# Altium PCB main.PcbDoc (part 2 of 5)
Units mm, origin at the board's own origin, x right, y up, seen from the top; angles counter-clockwise.
Board outline 54 x 86 mm, 8 copper layers (L1, L2, L3, L4, L5, L6, L7, L8), stack 1.624 mm thick; 313 components, 261 nets, 1426 pads, 897 vias.
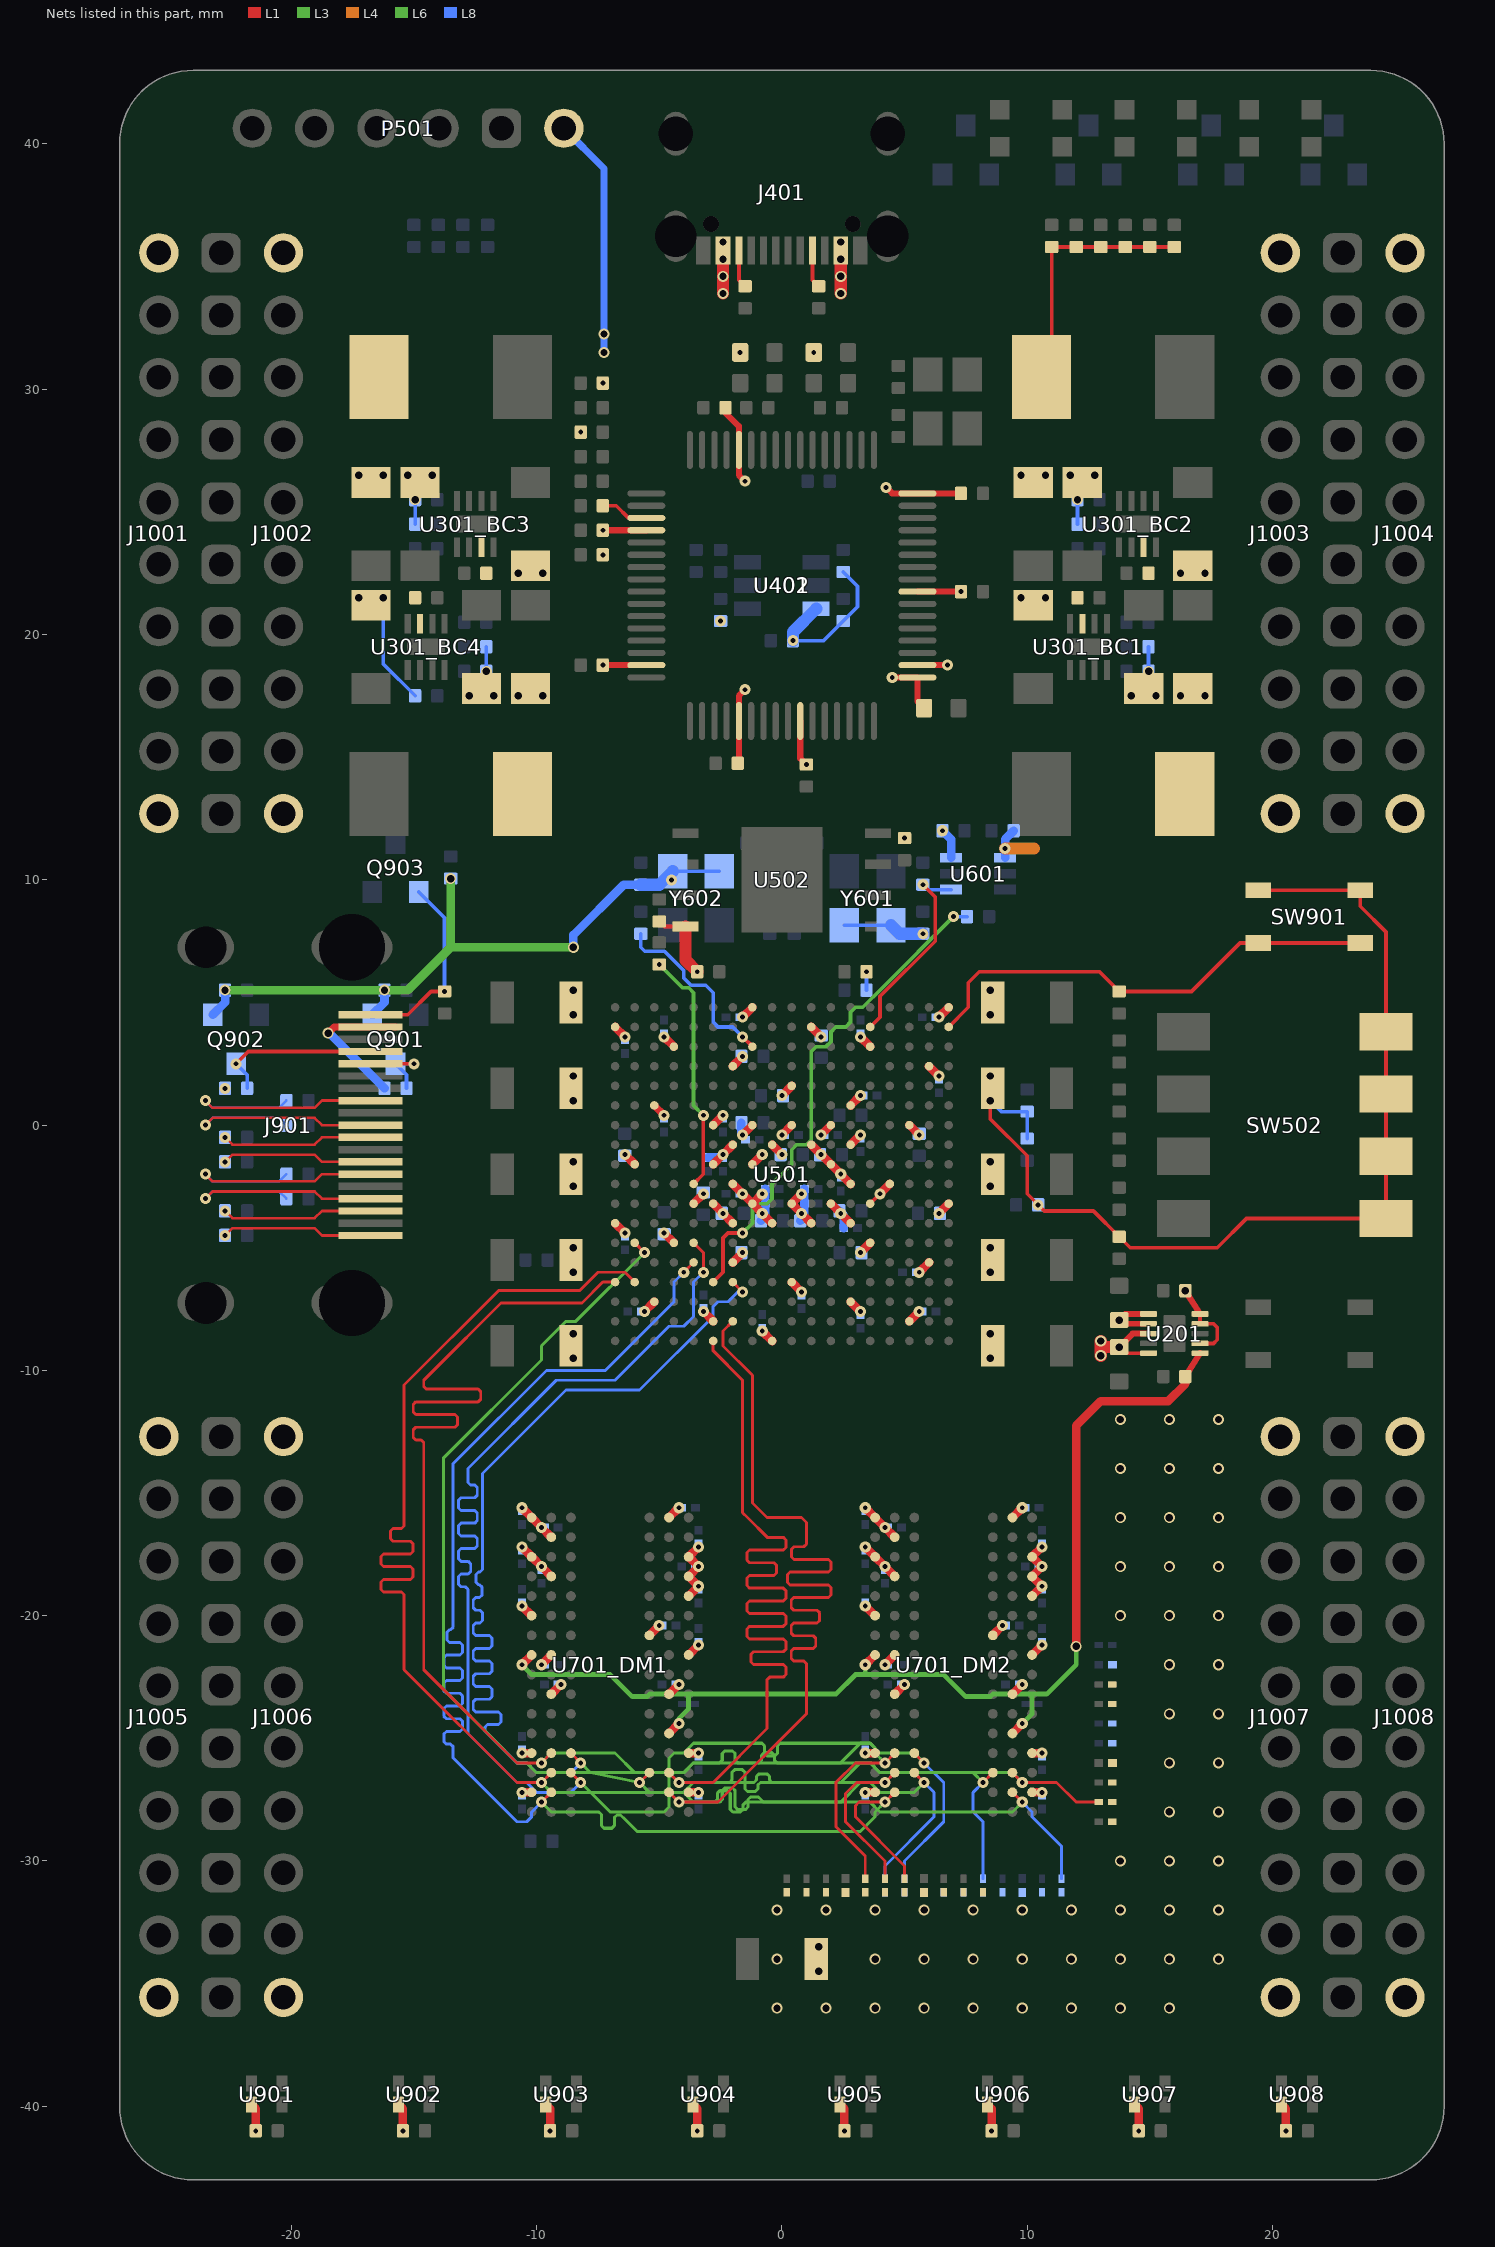
[diagram p8: the nets of this part, all layers, seen from the top]

## Footprints (in the part's own frame and the unit in brackets; to place one, negate y for a bottom-side part, rotate by r counter-clockwise, add the part's x,y. Pads: shape width x height; smd on the part's side, far side on the other; paste and mask are expansions set on the pad) (continued)
FP-208658-1051-MFG [mm]
  rect 0.3x2.6 smd paste+0 mask+0: 1(4.5,5.235) 2(4,5.235) 3(3.5,5.235) 4(3,5.235) 5(2.5,5.235) 6(2,5.235) 7(1.5,5.235) 8(1,5.235) 9(0.5,5.235) 10(0,5.235) 11(-0.5,5.235) 12(-1,5.235) 13(-1.5,5.235) 14(-2,5.235) 15(-2.5,5.235) 16(-3,5.235) 17(-3.5,5.235) 18(-4,5.235) 19(-4.5,5.235)
  rrect100% 1.5x3.3 hole 2.7 slot 0.9 at 0 deg paste-2539.97 mask+0: 20(-7.25,4.475) 21(7.25,4.475)
  rrect100% 1.5x2.3 hole 1.7 slot 0.9 at 0 deg paste-2539.97 mask+0: 22(-7.25,-1.485) 23(7.25,-1.485)
  silkscreen extent -7.63,-6.2 7.63,7.24, body extent -8.1,-6.3 8.1,6.64, height 0.25
FP-1825006-7-MFG [mm]
  rect 2.15x1.52 smd paste+0 mask+0: 1(-4.13,3.81) 2(-4.13,1.27) 3(-4.13,-1.27) 4(-4.13,-3.81) 5(4.13,-3.81) 6(4.13,-1.27) 7(4.13,1.27) 8(4.13,3.81)
  silkscreen extent -5.92,-5.26 3.25,5.26, body extent -5.31,-5.36 5.31,5.36, height 0.25
FP-C04-028-MFG [mm]
  rect 1.1x0.6 smd paste+0 mask+0: 1(-1.4,0.95) 2(-1.4,0) 3(-1.4,-0.95) 4(1.4,-0.95) 5(1.4,0) 6(1.4,0.95)
  silkscreen extent -1.37,-1.55 0.48,1.87, body extent -0.9,-1.55 0.9,1.55, height 1.45
FP-C1206C-EH-MFG [mm]
  rect 0.95x1.7 smd paste+0 mask+0: 1(-1.4,0) 2(1.4,0)
  silkscreen extent -0.55,-0.9 0.55,0.9, body extent -1.6,-0.8 1.6,0.8, height 1.8
FP-DCK0006A-MFG [mm]
  rect 0.9x0.4 smd paste-1000 mask+0: 1(-1.1,0.65) 2(-1.1,0) 3(-1.1,-0.65) 4(1.1,-0.65) 5(1.1,0) 6(1.1,0.65)
  silkscreen extent -2.23,-1.07 0.27,1.07, body extent -1.1,-1 1.1,1, height 1.1
FP-IHLP-2525AH-FP_2_413x3-MFG [mil]
  rect 95x135 smd paste+0 mask+0: 1(-115,0) 2(115,0)
  silkscreen extent -132,-132 132,132, body extent -166,-136 166,136, height 10
FP-NX3225SA-MFG [mm]
  rect 1.4x1.2 smd paste+0 mask+0: 1(-1.1,-0.8) 2(1.1,-0.8) 3(1.1,0.8) 4(-1.1,0.8)
  silkscreen extent -2.17,-1.3 2.17,1.3, body extent -1.9,-1.5 1.9,1.5, height 0.25
FP-PG-WSON-8-IPC_A [mm]
  rect 1.061x0.392 smd paste+0 mask+0: 1(-3.926,1.905) 2(-3.926,0.635) 3(-3.926,-0.635) 4(-3.926,-1.905) 5(3.926,-1.905) 6(3.926,-0.635) 7(3.926,0.635) 8(3.926,1.905)
  rect 3.3x4.3 smd paste-1000 mask+0: 9(0,0)
  silkscreen extent -5.38,-3 4,3, body extent -4.96,-3.5 4.96,3.5, height 0.25
FP-PTS810SJM250SMTRLFS-MFG [mm]
  rect 1.05x0.65 smd paste+0 mask+0: 1(-2.075,1.075) 2(2.075,1.075) 3(-2.075,-1.075) 4(2.075,-1.075)
  silkscreen extent -2.1,-1.6 2.1,1.6, body extent -2.7,-1.7 2.7,1.7, height 0.25
FP-RMCF0201-IPC_C [mm]
  rect 0.354x0.263 smd paste+0 mask+0: 1(-0.254,0) 2(0.254,0)
  body extent -0.3,-0.15 0.3,0.15, height 0.26
FP-SiT8008-2-MFG [mm]
  rect 1.4x1.2 smd paste+0 mask+0: 1(-1.1,-0.95) 2(1.1,-0.95) 3(1.1,0.95) 4(-1.1,0.95)
  silkscreen extent -1.37,-2.12 -1.13,-1.88, body extent -1.6,-1.25 1.6,1.25, height 0.8
FP-SiT8208-2-MFG [mm]
  rect 1.4x1.2 smd paste+0 mask+0: 1(-1.1,-0.95) 2(1.1,-0.95) 3(1.1,0.95) 4(-1.1,0.95)
  silkscreen extent -1.37,-2.13 -1.13,-1.88, body extent -1.6,-1.25 1.6,1.25, height 0.8
FP-SOT23-MFG [mm]
  rect 0.9x0.8 smd paste+0 mask+0: 1(-1,0.95) 2(-1,-0.95) 3(1,0)
  silkscreen extent -0.18,-1.5 0.7,1.5, body extent -1.2,-1.45 1.2,1.45, height 1.1
FP-TSW-110-07-T-S-MFG#1 [mm]
  round 1.6 / inner round 0 / far side round 1.6 hole 1 mask+0.1: 1(-11.43,0) 2(-8.89,0) 3(-6.35,0) 4(-3.81,0) 5(-1.27,0) 6(1.27,0) 7(3.81,0) 8(6.35,0) 9(8.89,0) 10(11.43,0)
  body extent -12.83,-1.27 12.7,1.27, height 8.71
FP-TSW-110-07-T-S-MFG#2 [mm]
  rrect50% 1.6x1.6 / inner round 1.6 / far side rrect50% 1.6x1.6 hole 1 mask+0.1: 1(-11.43,0) 2(-8.89,0) 3(-6.35,0) 4(-3.81,0) 5(-1.27,0) 6(1.27,0) 7(3.81,0) 8(6.35,0) 9(8.89,0) 10(11.43,0)
  body extent -12.83,-1.27 12.7,1.27, height 8.71
FP-USB4105-GF-A-MFG [mm]
  rrect100% 1x2.1 hole 1.7 slot 0.6 at 0 deg paste-2539.97 mask+0: 1(-4.32,3.015) 2(4.32,3.015)
  rrect100% 1x1.8 hole 1.4 slot 0.6 at 0 deg paste-2539.97 mask+0: 3(-4.32,-1.165) 4(4.32,-1.165)
  rect 0.6x1.15 smd paste+0 mask+0: A1-B12(-3.2,3.59) A4-B9(-2.4,3.59) B1-A12(3.2,3.59) B4-A9(2.4,3.59)
  rect 0.3x1.15 smd paste+0 mask+0: A5(-1.25,3.59) A6(-0.25,3.59) A7(0.25,3.59) A8(1.25,3.59) B5(1.75,3.59) B6(0.75,3.59) B7(-0.75,3.59) B8(-1.75,3.59)
  round 0.65 hole 0.65 unplated paste-2539.97 mask+0: ""(-2.89,2.515) ""(2.89,2.515)
  silkscreen extent -4.86,-3.84 4.86,1.59, body extent -4.96,-3.94 4.96,4.27, height 0.25
LQFP-64_L [mm] "Thin QFP, 64-Leads, Body 10x10mm, Pitch 0.5mm, IPC High Density"
  oval 1.55x0.25 smd: 1(-5.525,3.75) 2(-5.525,3.25) 3(-5.525,2.75) 4(-5.525,2.25) 5(-5.525,1.75) 6(-5.525,1.25) 7(-5.525,0.75) 8(-5.525,0.25) 9(-5.525,-0.25) 10(-5.525,-0.75) 11(-5.525,-1.25) 12(-5.525,-1.75) 13(-5.525,-2.25) 14(-5.525,-2.75) 15(-5.525,-3.25) 16(-5.525,-3.75) 33(5.525,-3.75) 34(5.525,-3.25) 35(5.525,-2.75) 36(5.525,-2.25) 37(5.525,-1.75) 38(5.525,-1.25) 39(5.525,-0.75) 40(5.525,-0.25) 41(5.525,0.25) 42(5.525,0.75) 43(5.525,1.25) 44(5.525,1.75) 45(5.525,2.25) 46(5.525,2.75) 47(5.525,3.25) 48(5.525,3.75)
  oval 0.25x1.55 smd: 17(-3.75,-5.525) 18(-3.25,-5.525) 19(-2.75,-5.525) 20(-2.25,-5.525) 21(-1.75,-5.525) 22(-1.25,-5.525) 23(-0.75,-5.525) 24(-0.25,-5.525) 25(0.25,-5.525) 26(0.75,-5.525) 27(1.25,-5.525) 28(1.75,-5.525) 29(2.25,-5.525) 30(2.75,-5.525) 31(3.25,-5.525) 32(3.75,-5.525) 49(3.75,5.525) 50(3.25,5.525) 51(2.75,5.525) 52(2.25,5.525) 53(1.75,5.525) 54(1.25,5.525) 55(0.75,5.525) 56(0.25,5.525) 57(-0.25,5.525) 58(-0.75,5.525) 59(-1.25,5.525) 60(-1.75,5.525) 61(-2.25,5.525) 62(-2.75,5.525) 63(-3.25,5.525) 64(-3.75,5.525)
  silkscreen extent -6.87,-4.35 4.35,4.35, body extent -5,-5 5,5, height 1.6
LUMX-SML-LX0603_V [mm] "SMD, 2-Leads, Body 1.6x0.8mm"
  rect 0.8x0.8 smd: 1(-0.75,0) 2(0.75,0)
  silkscreen extent 1.65,-0.4 1.65,0.4, body extent -0.8,-0.4 0.8,0.4, height 0.85
MICT-TW-96 [mm] "BGA, 96-Balls, Body 8x14mm, Pitch 0.8mm"
  round 0.4 smd mask-0.025: A1(-3.2,6) A2(-2.4,6) A3(-1.6,6) A7(1.6,6) A8(2.4,6) A9(3.2,6) B1(-3.2,5.2) B2(-2.4,5.2) B3(-1.6,5.2) B7(1.6,5.2) B8(2.4,5.2) B9(3.2,5.2) C1(-3.2,4.4) C2(-2.4,4.4) C3(-1.6,4.4) C7(1.6,4.4) C8(2.4,4.4) C9(3.2,4.4) D1(-3.2,3.6) D2(-2.4,3.6) D3(-1.6,3.6) D7(1.6,3.6) D8(2.4,3.6) D9(3.2,3.6) E1(-3.2,2.8) E2(-2.4,2.8) E3(-1.6,2.8) E7(1.6,2.8) E8(2.4,2.8) E9(3.2,2.8) F1(-3.2,2) F2(-2.4,2) F3(-1.6,2) F7(1.6,2) F8(2.4,2) F9(3.2,2) G1(-3.2,1.2) G2(-2.4,1.2) G3(-1.6,1.2) G7(1.6,1.2) G8(2.4,1.2) G9(3.2,1.2) H1(-3.2,0.4) H2(-2.4,0.4) H3(-1.6,0.4) H7(1.6,0.4) H8(2.4,0.4) H9(3.2,0.4) J1(-3.2,-0.4) J2(-2.4,-0.4) J3(-1.6,-0.4) J7(1.6,-0.4) J8(2.4,-0.4) J9(3.2,-0.4) K1(-3.2,-1.2) K2(-2.4,-1.2) K3(-1.6,-1.2) K7(1.6,-1.2) K8(2.4,-1.2) K9(3.2,-1.2) L1(-3.2,-2) L2(-2.4,-2) L3(-1.6,-2) L7(1.6,-2) L8(2.4,-2) L9(3.2,-2) M1(-3.2,-2.8) M2(-2.4,-2.8) M3(-1.6,-2.8) M7(1.6,-2.8) M8(2.4,-2.8) M9(3.2,-2.8) N1(-3.2,-3.6) N2(-2.4,-3.6) N3(-1.6,-3.6) N7(1.6,-3.6) N8(2.4,-3.6) N9(3.2,-3.6) P1(-3.2,-4.4) P2(-2.4,-4.4) P3(-1.6,-4.4) P7(1.6,-4.4) P8(2.4,-4.4) P9(3.2,-4.4) R1(-3.2,-5.2) R2(-2.4,-5.2) R3(-1.6,-5.2) R7(1.6,-5.2) R8(2.4,-5.2) R9(3.2,-5.2) T1(-3.2,-6) T2(-2.4,-6) T3(-1.6,-6) T7(1.6,-6) T8(2.4,-6) T9(3.2,-6)
  silkscreen extent -4.77,-7 4,7, body extent -4,-7 4,7, height 1.2
RESC0402(1005)_L [mm] "Chip Resistor, Body 1.0x0.5mm, IPC High Density"
  rrect25% 0.5x0.55 smd: 1(-0.45,0) 2(0.45,0)
  silkscreen extent 0,-0.2 0,0.2, body extent -0.5,-0.25 0.5,0.25, height 0.3
RESC0603(1608)_L [mm] "Chip Resistor, Body 1.6x0.8mm, IPC High Density"
  rrect25% 0.66x0.76 smd: 1(-0.7,0) 2(0.7,0)
  silkscreen extent 0,-0.3 0,0.3, body extent -0.8,-0.4 0.8,0.4, height 0.45
RESC0603X28X15LL05T05 [mm] "Chip Resistor, 2-Leads, Body 0.60x0.30mm, IPC High Density"
  rect 0.35x0.25 smd: 1(-0.275,0) 2(0.275,0)
  body extent -0.33,-0.17 0.32,0.18, height 0.28
SMTC-TSW-106-07-X-S [mm] ".025 SQ Post Terminal Strip Assembly, 1x6 Pins, Vertical, 2.54mm Pitch, Male"
  round 1.6 / inner round 0 / far side round 1.6 hole 1 mask+0.1: 1(0,0) 3(5.08,0) 4(7.62,0) 5(10.16,0) 6(12.7,0)
  rrect50% 1.6x1.6 / inner round 1.6 / far side rrect50% 1.6x1.6 hole 1 mask+0.1: 2(2.54,0)
  body extent -1.27,-1.24 13.97,1.3, height 8.38
"WS2812B 1615" [mm]
  rect 0.45x0.65 smd mask+0.1: 1(-0.625,-0.425) 2(0.625,-0.425) 3(0.625,0.425) 4(-0.625,0.425)
  silkscreen extent -1.4,-0.1 -1.2,0.1

## Part data
C201 C202 C401 C410 C412: library part Capacitors, "Capacitor", Case/Package=0603, Component Type=Capacitors
C203 C204 C402 C403 C404 C405 C406 C407 C408 C409 C411 C413 C557 C601 C602 C603 C604 C901 C902 C903 C904 C905 C906 C907 C908 C909 C910 C911 C912 C913 C914 C915 C916: library part Capacitors, "Capacitor", Case/Package=0402, Voltage Rating=16, Component Type=Capacitors
C301_BC1 C301_BC2 C301_BC3 C301_BC4 C302_BC1 C302_BC2 C302_BC3 C302_BC4 C303_BC1 C303_BC2 C303_BC3 C303_BC4: library part CMP-14477-000100-2, "None", Capacitance=22uF, Case Code (Imperial)=1206, Case Code (Metric)=3216, Dielectric=X5R, Max Operating Temperature=85°C, Min Operating Temperature=-55°C, Package Quantity=2000, Resistor Type=Ceramic, Tolerance=20%, Voltage Rating=25V, Case/Package=1206, Construction=Flat, Halogen Free="Halogen Free", Height=1.6mm, Length=3.2mm, Mount="Surface Mount", Packaging="Tape and Reel", RoHS Compliant=Yes, Series=M, Termination=SMD/SMT, Thickness=0.075inch, Voltage Rating (DC)=25V, Weight=0.000571oz, Width=0.063inch
C304_BC1 C304_BC2 C304_BC3 C304_BC4 C414 C415: library part Capacitors, "Capacitor", Case/Package=0402, Component Type=Capacitors
C501 C502 C503 C504 C519 C522 C529 C542 C543 C805 C806: library part CMP-1037-05005-3, "CAP CER 100UF 6.3V X5R 1206", Capacitance=100uF, Case Code (Imperial)=1206, Case Code (Metric)=3216, Dielectric=X5R, Dielectric Material=Ceramic, Max Operating Temperature=85°C, Min Operating Temperature=-55°C, Package Quantity=1, Tolerance=2%, Voltage=6.3V, Case/Package=1206, Construction=Flat, Depth=1.6mm, Dissipation Factor=5%, Height=1.6mm, Lead Free="Lead Free", Length=3.2mm, Mount="Surface Mount", Number of Pins=2, Packaging="Tape and Reel", Radiation Hardening=No, REACH SVHC="No SVHC", RoHS Compliant=Yes, Series=C, Termination=SMD/SMT, Thickness=0.071inch, Voltage Rating=6.3V, Voltage Rating (DC)=6.3V, Width=0.063inch
C505 C506 C507 C508 C509 C510 C523 C524 C530 C531 C536 C537 C544 C545 C550 C551 C556: library part Capacitors, "Capacitor", Case/Package=0402, Voltage Rating=10V, Component Type=Capacitors
C511 C512 C513 C514 C515 C516 C517 C518 C520 C521 C525 C526 C527 C528 C532 C533 C534 C535 C538 C539 C540 C541 C546 C547 C548 C549 C552 C553 C554 C555 C701_DM1 C701_DM2 C702_DM1 C702_DM2 C703_DM1 C703_DM2 C704_DM1 C704_DM2 C705_DM1 C705_DM2 C706_DM1 C706_DM2 C707_DM1 C707_DM2 C708_DM1 C708_DM2 C709_DM1 C709_DM2 C710_DM1 C710_DM2 C711_DM1 C711_DM2 C712_DM1 C712_DM2 C713_DM1 C713_DM2 C714_DM1 C714_DM2 C715_DM1 C715_DM2 C716_DM1 C716_DM2 C717_DM1 C717_DM2 C718_DM1 C718_DM2 C801 C802 C803 C804 C807 C808 C809: library part CMP-2010-00405-1, Manufacturer="AVX Interconnect / Elco", Package=0201, Voltage Rating=6.3V, Part Number=02016D474KAT2A
DS201 DS401 DS402 DS501 DS901 DS902: library part CMP-2000-07121-1, "Yellow LED, Milky White Diffused Lens, 2.1 V, 14 mcd, -25 to 85 degC, 2-Pin SMD, RoHS, Tape and Reel", Color=Yellow, Manufacturer=Lumex, Operating Temperature=-25to85C, Package Description="2-Pin Surface Mount Device, Body 1.6 x 0.8 mm", Package Reference=SML-LX00603, Reverse Voltage=5(Min)V, Supplier_Package=SMD, COO=CN, Datasheet URL=http://www.lumex.com/content/files/ProductAttachment/SML-LX0603YW-TR.pdf, Datasheet Version="Rev. G, 09/2013", Dimension=1.6x0.8x0.6mm, Dominant Wavelength=N/A, ECCN=EARII, Family=SML-LX0603YW, HTS=8541402000, Intensity=14mcd, LED Material=GaAsP, Lens Appearance=ColorlessDiffused, Lens Dimensions=1x0.8x0.3mm, Manufacturer URL=http://www.lumexinstruments.com/, Mounting=SurfaceMount, Mounting Technology=SurfaceMount, Number of LEDs=1, Packaging=TapeandReel, Part No=SML-LX0603YW-TR, Peak Wavelength=585nm, Pin_Count=2, RoHS=Unknown, Supplier=Lumex, Type=Uni-Color, Viewing Angle=160
J401: library part CMP-245163-000001-1, "CONN RCPT USB2.0 TYPEC 5A", Current Rating=5/6.25/1.25/0.25A, Manufacturer=GCT, Package=0, Temperature="-40°C to +85°C", Temperature Range High=+85°C, Temperature Range Low=-40°C, Voltage Rating=20V, Automotive=No, Category=Conn, ComponentLink2Description=Datasheet, ComponentLink2URL=https://gct.co/files/drawings/usb4105.pdf, Conn Orientation="Right Angle", Contact Material=Gold,Nickel, Device Class L1=Connectors, Device Class L2="USB Connectors", Device Class L3=unset, Digikey Description="CONN RCPT USB2.0 TYPEC 5A", Height=3.46mm, Is Female=yes, Lead Free=Yes, Manufacturer Part Number=USB4105-GF-A, Number of Contacts=16, Octopart=https://octopart.com/usb4105-gf-a-gct-106627878, RoHS=TRUE, Usb Standard="USB 2.0"
J901: library part CMP-04768-000005-1, "CONN RCPT HDMI V2.1 19POS SMD RA"
J1001 J1002 J1003 J1004 J1005 J1006 J1007 J1008 J1009 J1010 J1011 J1012: library part CMP-00575-00272505-1, "TSW-110-07-T-S TSW - Samtec 2.54mm Pin Header 10.92mm Overall Pin Length (07) (mcv)(TO22)", Color=Black, Manufacturer Lifecycle Status=PRODUCTION, Max Current Rating=7.6A, Max Operating Temperature=105°C, Max Voltage Rating (AC)=550V, Min Operating Temperature=-55°C, Connector Type="Male Pin", Contact Material="Nickel, Tin", Contact Mating Length=5.842mm, Contact Plating=Tin, Depth=2.54mm, Gender=Male, Height=8.71mm, Housing Color=Black, Housing Material=Polyester, Lead Free="Lead Free", Lead Pitch=2.54mm, Length=25.4mm, Lifecycle Status=Production, Mount="Through Hole", Number of Contacts=10, Number of Pins=10, Number of Positions=10, Number Of Rows=1, Orientation=Straight, Packaging=Bulk, Pitch=2.54mm, Radiation Hardening=No, REACH SVHC="No SVHC", RoHS=Compliant, Termination=Solder, Width=2.54mm
L301_BC1 L301_BC2 L301_BC3 L301_BC4: library part CMP-02424-000390-1, "Commercial Inductors, High Saturation Series 4.7uH 3A 78mΩ 20%", Case/Package=2525, Current Rating=3A, DC Resistance (DCR)=78mR, Inductance=4.7uH, Inductance Tolerance=20%, Max DC Current=8A, Max Operating Temperature=125°C, Min Operating Temperature=-55°C, Package Quantity=2000, Self Resonant Frequency=5MHz, Test Frequency=100kHz, Core Material=Metal, Depth=6.72mm, Height=1.8mm, Height - Seated (Max)=0.071inch, Lead Free="Lead Free", Length=6.86mm, Military Standard=Not, Mount="Surface Mount", Packaging="Tape and Reel", Radiation Hardening=No, RMS Current (Irms)=3A, Saturation Current=8A, Shielding=Shielded, Termination=SMD/SMT, Tolerance=20%, Width=6.47mm
P501: library part CMP-1024-00385-1, "0.025\" SQ Post Header, Through-hole, Vertical, -55 to 125 degC, 2.54 mm Pitch, 6-Pin, Male, RoHS", Manufacturer=Samtec, Temperature Range="-55 to 125 degC", ComponentLink1Description="Manufacturer URL", ComponentLink1URL=http://www.samtec.com, ComponentLink2Description=Datasheet, ComponentLink2URL=http://www.samtec.com/documents/webfiles/pdf/TSW_TH.PDF, ComponentLink3Description="Package Specification", ComponentLink3URL=http://www.samtec.com/documents/webfiles/cpdf/TSW-XXX-XX-XXX-X-XX-XXX-MKT.pdf, DatasheetVersion=F-214, Mounting Technology=Through-hole, Orientation=Vertical, PackageDescription=".025[0.64] SQ. Post Terminal Strip Assembly", PackageReference=TSW-106-07-X-S, PackageVersion="DM, 8/1988", PartNumber=TSW-106-07-F-S, Pitch="2.54 mm", RoHS=True
Q201 Q501 Q901 Q902 Q903 Q904 Q905: library part CMP-2000-04929-2, "MOSFET N-CH 60V 115MA SOT23-3", Case/Package=SOT-23, Continuous Drain Current (ID)=115mA, Drain to Source Breakdown Voltage=70V, Drain to Source Resistance=7.5R, Drain to Source Voltage (Vdss)=60V, Gate to Source Voltage (Vgs)=20V, Input Capacitance=50pF, Max Operating Temperature=150°C, Max Power Dissipation=300mW, Min Operating Temperature=-55°C, Package Quantity=3000, Power Dissipation=540mW, Threshold Voltage=2.5V, Contact Plating=Tin, Current Rating=115mA, Dual Supply Voltage=60V, Element Configuration=Single, Fall Time=5.6ns, Height=1mm, Lead Free="Lead Free", Length=2.9mm, Mount="Surface Mount", Nominal Vgs=2.5V, Number of Channels=1, Number of Elements=1, Number of Pins=3, On-State Resistance=7.5R, Packaging="Tape and Reel", Radiation Hardening=No, Rds On Max=7.5R, REACH SVHC="No SVHC", Rise Time=3ns, Termination=SMD/SMT, Turn-Off Delay Time=11ns, Turn-On Delay Time=7ns, Voltage=60V, Voltage Rating (DC)=60V, Weight=0.000282oz, Width=1.3mm
R201 R202 R203 R204 R205 R206 R208 R209 R210 R301_BC1 R301_BC2 R301_BC3 R301_BC4 R410 R912 R913: library part Resistors, "Resistor", Case/Package=0402, Tolerance=1%, Component Type=Resistors
R207 R403 R404 R405 R406 R407 R408 R409 R411 R412 R413 R414 R415 R416 R417 R501 R502 R503 R504 R505 R506 R507 R508 R509 R510 R511 R512 R513 R514 R515 R516 R517 R518 R519 R520 R521 R601 R602 R603 R827 R901 R902 R903 R904 R905 R906 R907 R908 R909 R910 R911 R914: library part Resistors, "Resistor", Case/Package=0402, Component Type=Resistors
R401 R402: library part Resistors, "Resistor", Case/Package=0603, Component Type=Resistors
R701_DM1 R701_DM2: library part CMP-26527-006303-1, "240Ω ±1% 0.05W 0201 Thick Film Chip Resistor AEC-Q200 compliant", Case Code (Imperial)=0201, Case Code (Metric)=0603, Max Operating Temperature=125°C, Max Power Dissipation=50mW, Min Operating Temperature=-55°C, Resistance=240R, Resistor Type="Thick Film", Temperature Coefficient=200ppm/°C, Tolerance=1%, Case/Package=0201, Height=0.009inch, Length=0.024inch, Number of Terminations=2, Packaging="Tape and Reel", Width=0.012inch
R801 R802 R803 R804 R805 R806 R807 R808 R809 R810 R811 R812 R813 R814 R815 R816 R817 R818 R819 R820 R821 R822 R823 R824 R825 R826: library part CMP-2004-00654-1, Manufacturer="Vishay Dale", Package=0201, Part Number=CRCW020149R9FKED
SW501 SW901: library part CMP-10040-000001-2, "SWITCH TACTILE SPST-NO 0.05A 16V", Case/Package=SMD/SMT, Color=Black, Current Rating=50mA, Max Operating Temperature=85°C, Min Operating Temperature=-40°C, Operating Force=160gf, Package Quantity=2900, Voltage Rating (DC)=16V, Actuator Type=Standard, Contact Plating=Silver, Depth=4.6mm, Illumination Type=Non-Illuminated, Lead Free="Lead Free", Length=3.2mm, Max Current Rating=50mA, Mechanical Life=150000Cycles, Mount="Surface Mount", Orientation=Straight, Packaging="Tape and Reel", RoHS Compliant=Yes, Switch Function=Off-Mom, Switch Travel=0.15mm, Termination=J-Bend, Throw Configuration=SPST
SW502: library part CMP-03400-000035-1, "SWITCH SLIDE DIP SPST 25MA 24V", Contact Current Rating=100mA, Contact Resistance=100mR, Flammability Rating="UL94 V-0", Housing Color=Black, Max Current Rating=25mA, Max Operating Temperature=85°C, Max Voltage Rating (DC)=24V, Min Operating Temperature=-30°C, Package Quantity=40, Switching Capacity=400mW, Voltage Rating (DC)=50V, Actuator Length=0mm, Actuator Material=Polymer, Actuator Type=Standard, Contact Material="Copper Alloy", Contact Plating=Gold, Contact Post Length=0.169inch, Depth=9.3mm, Electrical Life=1000Cycles, ELV=Compliant, Height=2.7mm, Housing Material=Polyphenylene, Lead Free="Lead Free", Length=0.394inch, Mount="Surface Mount", Number of Circuits=4, Number of Pins=4, Number of Positions=4, Orientation=Straight, Packaging=Rail/Tube, Pitch=0.1inch, Radiation Hardening=No, REACH SVHC="No SVHC", Sealable="Yes (With)", Series="GDS, Alcoswitch", Terminal Pitch=2.54mm, Termination="Gull Wing", Throw Configuration=SPST, Type=Switch, Washable=Yes, Width=8.15mm
U201: library part CMP-0395-00678-2, "Single Output LDO, 2 A, with VTTREF Buffered Reference for DDR2, DDR3, DDR3L, 10-pin SON (DSQ), -40 to 85 degC, Green (RoHS & no Sb/Br)", Manufacturer="Texas Instruments", Rating=Catalog, ComponentLink1Description="Manufacturer URL", ComponentLink1URL=http://www.ti.com/, ComponentLink2Description=Datasheet, ComponentLink2URL=http://www.ti.com/general/docs/lit/getliterature.tsp?genericPartNumber=TPS51206&fileType=pdf, ComponentLink3Description="Package Specification", ComponentLink3URL=http://www.ti.com/litv/pdf/mpdi002c, ComponentLink4Description="URL Link1", ComponentLink4URL="Samples URL:http://www.ti.com/product/tps51206#samples", DatasheetVersion=SLUSAH1, Eco-Plan="Green (RoHS & no Sb/Br)", Iout(Max)(A)=2, Mounting Technology="Surface Mount", PackageDescription="10-Pin Plastic Small Outline, Body 2 X 2 mm, Pitch 0.4 mm", PackageReference=DSQ0010A, PackageVersion=4209243/B, PartNumber=TPS51206DSQR, SubFamily="Single Channel LDO"
U301_BC1 U301_BC2 U301_BC3 U301_BC4: "High Efficiency 5.5V, 3A Continuous, 1MHz Synchronous Step Down Regulator", LCSC=C178236, Manufacturer=Silergy, Manufacturer Part Number="High Efficiency 5.5V, 3A continuous, 1MHz"
U401: library part CMP-0078-00023-3, "Dual High Speed USB To Multipurpose UART/FIFO IC, 64-pin LQFP, Tape and Reel", Manufacturer=FTDI, ComponentLink1Description="Manufacturer URL", ComponentLink1URL=http://www.ftdichip.com/, ComponentLink2Description=Datasheet, ComponentLink2URL=http://www.ftdichip.com/Support/Documents/DataSheets/ICs/DS_FT2232H.pdf, DatasheetVersion="ver 2.21, Jun-2012", PackageDescription="64-Pin Thin Quad Flat Pack, 10 x 10 x 1.4 mm Body, 0.5 mm Pitch", PackageReference=LQFP-64, PackageVersion=Jun-12, PartNumber=FT2232HL-Reel, RevisionNote="DatasheetVersion updated to 2.21 Jun-2012"
U402: library part CMP-0162-00356-2, "IC EEPROM 2K SPI 2MHZ SOT23-6", Case/Package=SOT-23, Frequency=2MHz, Max Operating Temperature=85°C, Max Supply Voltage=5.5V, Min Operating Temperature=-40°C, Min Supply Voltage=2.5V, Nominal Supply Current=2mA, Package Quantity=3000, Access Time=250ns, Contact Plating=Tin, Density=2Kb, Height=1.3mm, Interface=Serial, Lead Free="Lead Free", Length=3.1mm, Max Frequency=2MHz, Memory Size=2Kb, Memory Type=EEPROM, Mount="Surface Mount", Number of Pins=6, Packaging="Tape and Reel", Radiation Hardening=No, REACH SVHC="No SVHC", Width=1.8mm
U501: library part CMP-0364-00002-3, "Artix-7 FPGA, 210 User I/Os, 0 GTP, 324-Ball BGA, Speed Grade 2, Extended Grade, Pb-Free", Generic Part Number=XC7A100T, Manufacturer=Xilinx, Block RAM Blocks (18Kb)=270, Block RAM Blocks (36Kb)=135, Block RAM Blocks (Max Kb)=4860, CLBs (Max Distributed RAM Kb)=1188, CLBs (Slices)=15850, Clock Mgmt Tiles (CMTs)=6, Code_JEDEC=MO-275-KKAC-1, ComponentLink1Description=Datasheet, ComponentLink1URL=http://www.xilinx.com/support/documentation/data_sheets/ds180_7Series_Overview.pdf, ComponentLink2Description="Package Specification", ComponentLink2URL=http://www.xilinx.com/support/documentation/user_guides/ug475_7Series_Pkg_Pinout.pdf, ComponentLink3Description="DC and Switching Characteristics", ComponentLink3URL=http://www.xilinx.com/support/documentation/data_sheets/ds181_Artix_7_Data_Sheet.pdf, ComponentLink4Description="Package File", ComponentLink4URL=http://www.xilinx.com/support/packagefiles/a7packages/xc7a100tcsg324pkg.txt, ComponentLink5Description="Packaging and Pinout", ComponentLink5URL=http://www.xilinx.com/support/documentation/user_guides/ug475_7Series_Pkg_Pinout.pdf, DatasheetVersion=v1.12, DSP48E1 Slices=240, Logic Cells=101440, Max User I/O=300, Mounting Technology="Surface Mount", NexusDeviceID=XC7A100T-2CSG324I, PackageDescription="Wire-Bond Chip-Scale BGA, Body 15 x 15 mm, 0.8 mm Pitch", PackageReference=CSG324, PackageVersion="Rev 1.8", PartNumber=XC7A100T-2CSG324I, RoHS=Pb-Free, Speed Grade=-2
U502: library part CMP-00196-112300326-1, "S25FL256SAGNFV000 128 Mbit (16 Mbyte)/256 Mbit (32 Mbyte) 3.0V SPI Flash Memory", NexarPartId=112300326
U601: library part CMP-04899-000070-1, "IC TRNSLTR BIDIRECTIONAL SC70-6", Max Operating Temperature=125°C, Min Operating Temperature=-40°C, Channel Type=Bidirectional, Data Rate=500Mbps, Mount="Surface Mount", Number of Bits=1, Number of Circuits=1, Packaging="Tape and Reel", RoHS Compliant=Yes
U701_DM1 U701_DM2: library part CMP-2000-06773-2, "Automotive DDR3L SDRAM, 4 GB, 933 MHz, 1.283 to 1.45 V, -40 to 95 degC, 96-Pin TFBGA, RoHS, Tray", Manufacturer=Micron, Max Frequency=933MHz, Max Operating Temperature=95degC, Min Operating Temperature=-40degC, Operating Supply Voltage=1.35V, Package Description="96-Ball Fine Pitch Ball Grid Array, Body 14 x 8 mm, Pitch 0.8 mm", Package Reference=TW-96, Access Time=1.07ns, Address Bus Width=15b, Contact Plating=Silver, Data Bus Width=16b, Datasheet URL=https://www.micron.com/~/media/documents/products/data-sheet/dram/ddr3/4gb_automotive_ddr3l.pdf, Datasheet Version="Rev. D, 02/2017", Density=4Gb, Manufacturer URL=http://www.micron.com/, Mount=SurfaceMount, Mounting Technology=SurfaceMount, RoHSCompliant=true
Y401: library part CMP-200220-000016-1, Case/Package=SMD/SMT, ESR (Equivalent Series Resistance)=50R, Frequency=12MHz, Frequency Stability=20ppm, Frequency Tolerance=10ppm, Load Capacitance=20pF, Max Operating Temperature=125°C, Min Operating Temperature=-40°C, Ratings=AEC-Q200, Height=0.024inch, Length=0.126inch, Mount="Surface Mount", Packaging="Tape and Reel", RoHS Compliant=Yes, Width=0.098inch
Y601: library part CMP-25159-264756-1, "50 MHz XO (Standard) HCMOS, LVCMOS Oscillator 3.3V Enable/Disable 4-SMD, No Lead", Case/Package=SMD/SMT, Frequency=50MHz, Frequency Stability=50ppm, Max Operating Temperature=85°C, Max Supply Current=4.5mA, Min Operating Temperature=-40°C, Mount="Surface Mount", Packaging="Tape and Reel", RoHS Compliant=Yes, Series=SIT8008B
Y602: library part CMP-25159-260479-1, "MEMS OSC XO 27.0000MHZ LVCMOS LV", Frequency=27MHz, RoHS Compliant=Yes

## Via types
v1: diameter 0.45/0/0/0/0/0/0/0.45 (per signal layer), hole 0.2, L1 to L8, tented both sides, 459 vias
v2: diameter 0.45/0/0/0/0/0/0/0.45 (per signal layer), hole 0.3, L1 to L8, tented both sides, 203 vias
v3: diameter 0.45/0/0/0/0/0.45/0/0.45 (per signal layer), hole 0.2, L1 to L8, tented both sides, 98 vias
v4: diameter 0.5/0/0/0/0/0/0/0.5 (per signal layer), hole 0.3, L1 to L8, tented both sides, 72 vias
v5: diameter 0.45/0/0.45/0/0/0/0/0.45 (per signal layer), hole 0.2, L1 to L8, tented both sides, 58 vias
v6: diameter 0.45/0/0.45/0/0/0.45/0/0.45 (per signal layer), hole 0.2, L1 to L8, tented both sides, 6 vias
v7: diameter 0.45/0/0.45/0/0/0/0/0.45 (per signal layer), hole 0.3, L1 to L8, tented both sides, 1 vias
